# Altium PCB PCB1.PcbDoc (part 6 of 9) (continued)
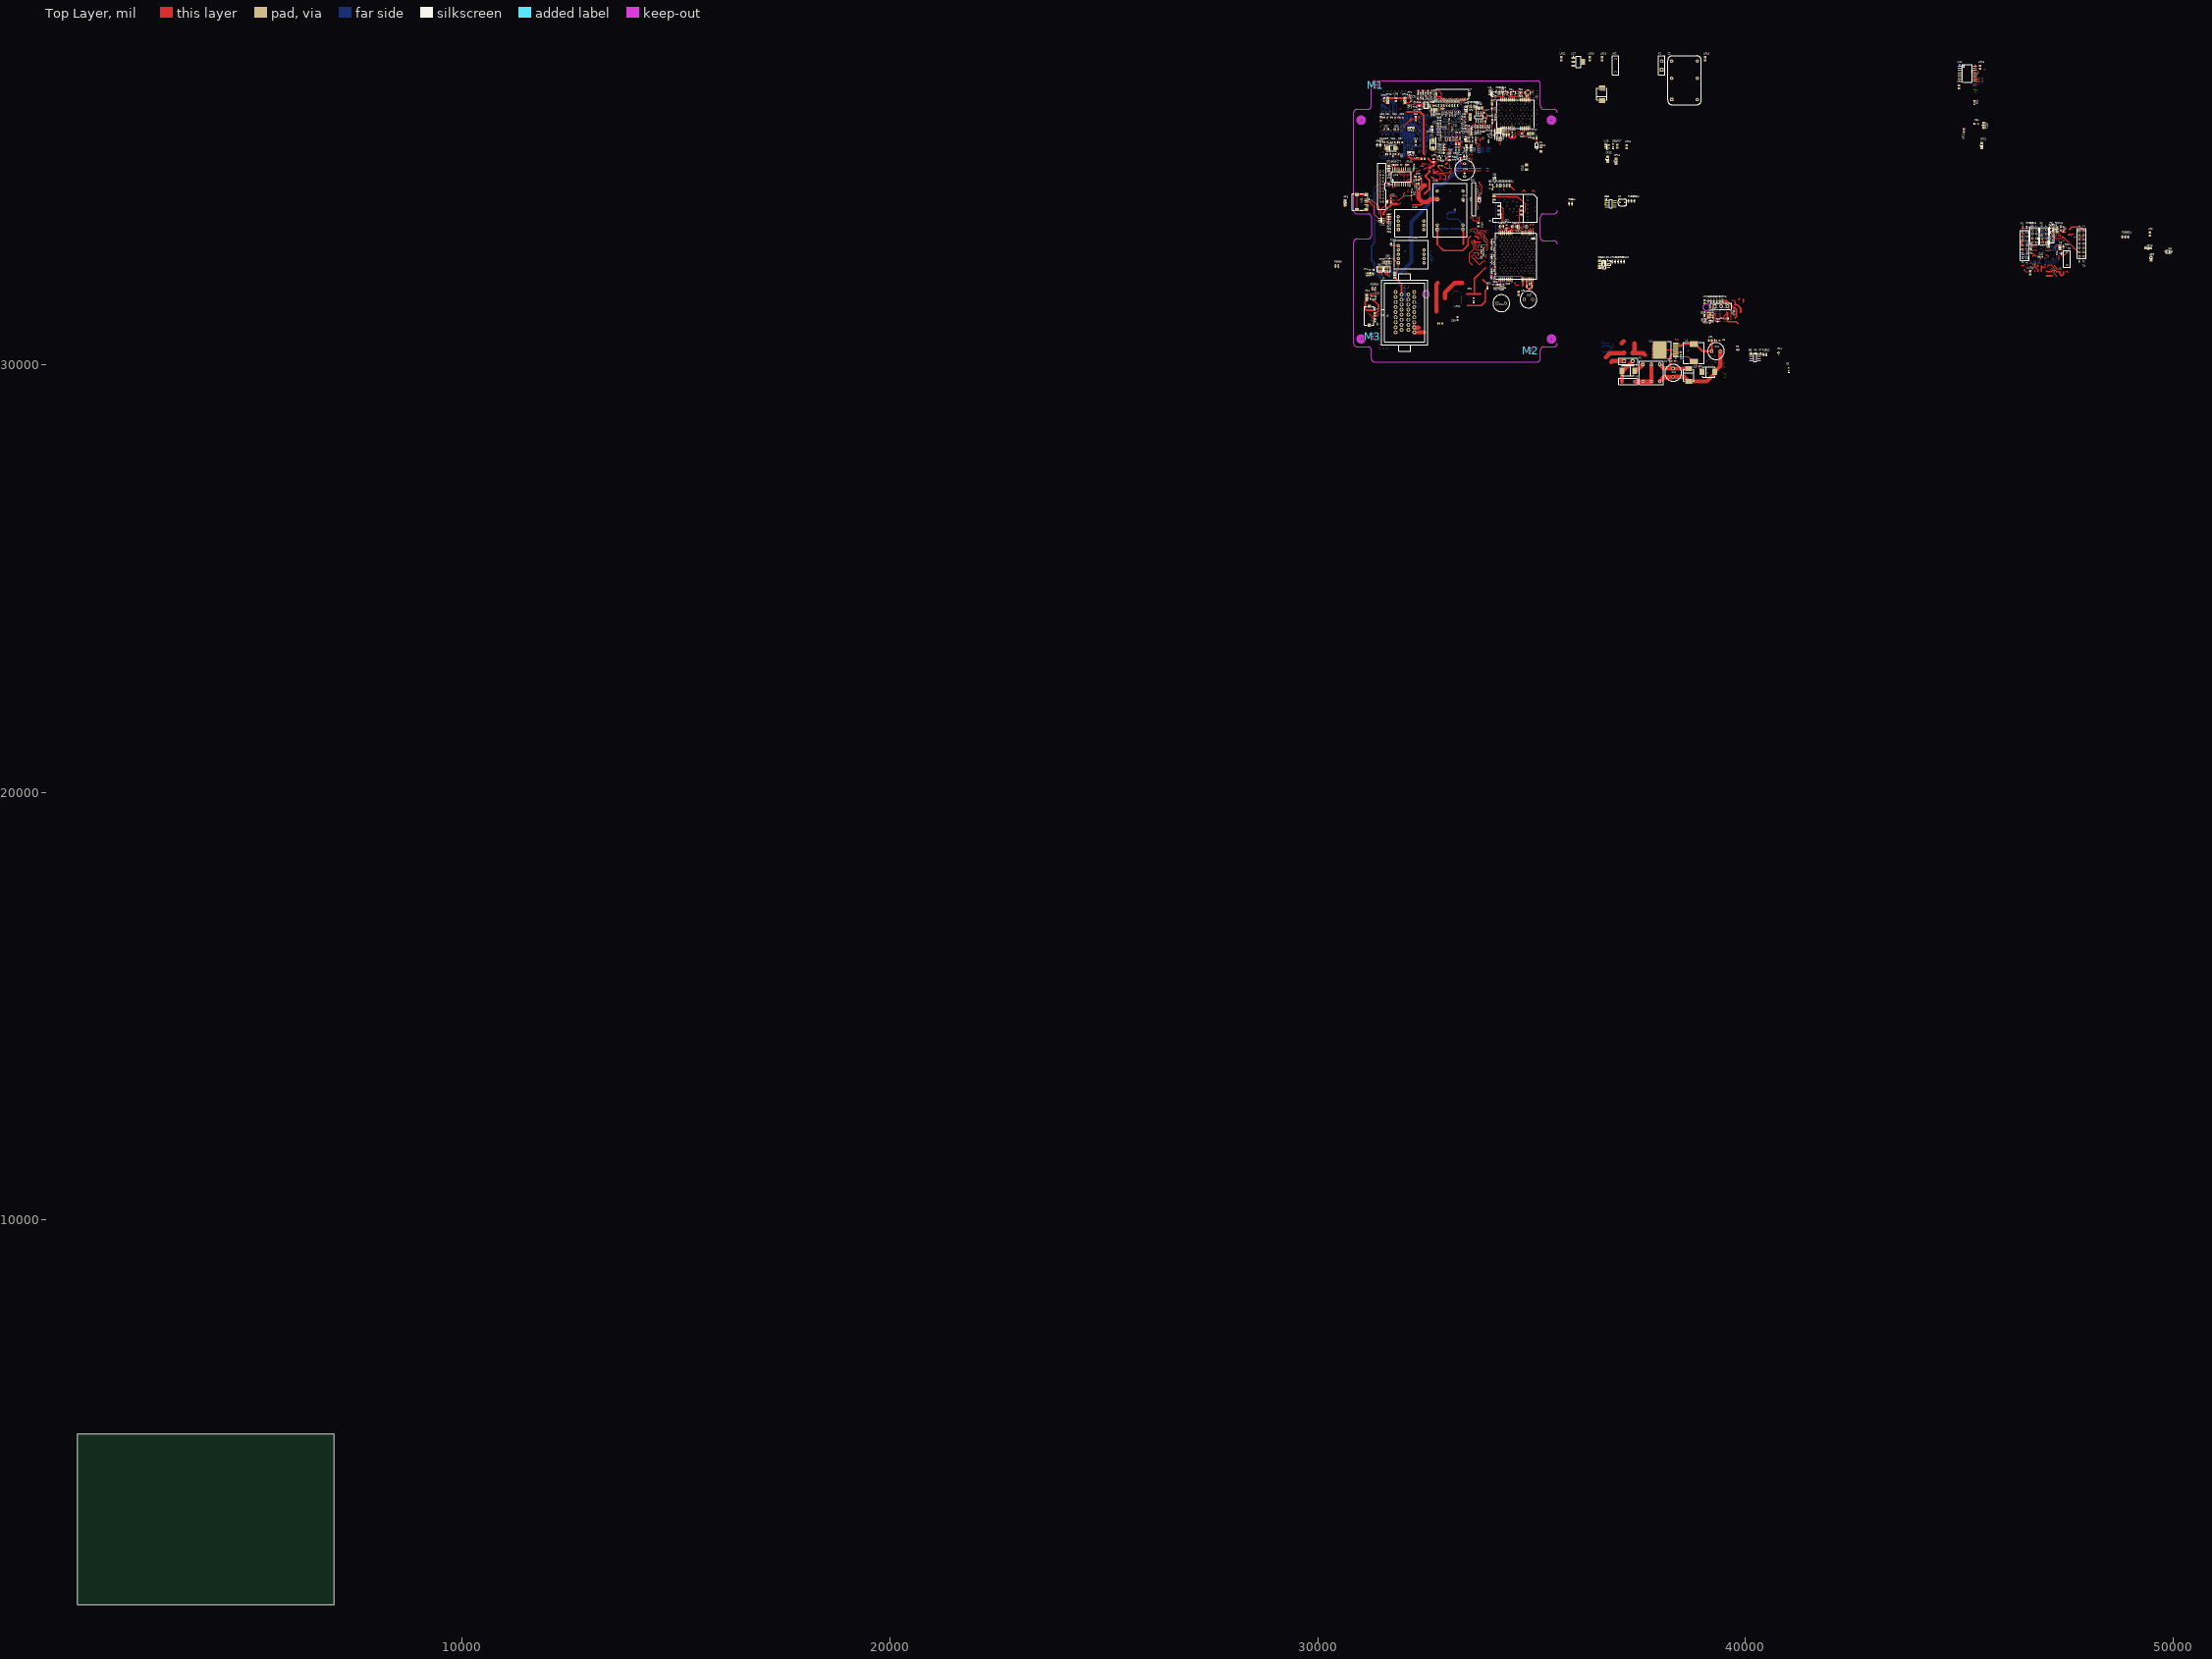
[diagram p0: Top Layer view]
## Nets (pads, with @x,y where several pads share a name; then routed paths per layer and width w, separated by ;. In a path a pad name is that pad's centre, name@x,y a point inside that pad or via, vN(x,y) a via of type N, cw(c..) or ccw(c..) an arc to the next point about the centre after c; other vN are vias at no path point) (continued)
32567,35352.75 v1@32717.78,35503.53 ; v1@32546.67,35615.73 32569.16,35615.73 32628.95,35675.52 32968.51,35675.52 v1(32984.51,35691.52) ; v1@32547.18,35694.8 cw(c32560.65,35681.33) 32560.65,35700.38 ; v1@32547.18,35703.99 ccw(c32555.9,35712.71) 32555.9,35700.38 ; v1@32549.94,35348.15 cw(c32561.03,35337.05) 32561.03,35352.75 cw(c32561.03,35368.44) v1@32549.94,35357.34 ; v1@32551.26,35612.27 cw(c32559.62,35603.91) 32559.62,35615.73 ; v1@32551.26,35621.46 ccw(c32565.1,35635.3) 32565.1,35615.73 ; v1@32557.34,35722.42 cw(c32557.34,35706.73) 32568.44,35717.83 cw(c32579.54,35728.92) v1@32563.84,35728.92 ; v1(32557.34,35728.92) 32571.12,35715.14 32720.73,35715.14 32746.32,35740.73 32882.15,35740.73 32906.02,35716.86 32906.02,35716.6 32915.1,35707.52 32937.02,35707.52 v1(32953.01,35691.52) ; v1(32566.2,35587.19) 32568.17,35587.19 32576.05,35595.06 ; v1(32568.2,35238.33) 32568.2,35241.74 32736.48,35410.02 32736.48,35532.07 32816.94,35612.53 32968.51,35612.53 v1(32984.51,35628.53) ; v1@32568.2,35244.83 ccw(c32568.2,35252.29) 32573.47,35247.01 ; v1@32568.36,35593.32 ccw(c32570.82,35600.29) 32576.05,35595.06 ; v1(32569.16,35472.03) 32576.23,35479.1 cw(c32579.76,35475.57) 32583.3,35479.1 32590.37,35472.03 ccw(c32593.9,35475.57) 32597.44,35472.03 ccw(c32593.9,35475.57) 32597.44,35479.1 32590.37,35486.17 cw(c32593.9,35489.71) 32590.37,35493.25 cw(c32593.9,35489.71) 32597.44,35493.25 32604.51,35486.17 ccw(c32608.05,35489.71) 32611.58,35486.17 ccw(c32608.05,35489.71) 32611.58,35493.25 32604.51,35500.32 cw(c32608.05,35503.85) 32604.51,35507.39 cw(c32608.05,35503.85) 32611.58,35507.39 32618.65,35500.32 ccw(c32622.19,35503.85) 32625.72,35500.32 ccw(c32622.19,35503.85) 32625.72,35507.39 32618.65,35514.46 cw(c32622.19,35517.99) 32618.65,35521.53 cw(c32622.19,35517.99) 32625.72,35521.53 32632.8,35514.46 ccw(c32636.33,35517.99) 32639.87,35514.46 ccw(c32636.33,35517.99) 32639.87,35521.53 32632.8,35528.6 cw(c32636.33,35532.14) 32632.8,35535.67 cw(c32636.33,35532.14) 32639.87,35535.67 32646.94,35528.6 ccw(c32650.47,35532.14) 32654.01,35528.6 ccw(c32650.47,35532.14) 32654.01,35535.67 32646.94,35542.74 cw(c32650.47,35546.28) 32646.94,35549.81 cw(c32650.47,35546.28) 32654.01,35549.81 32661.08,35542.74 ccw(c32664.62,35546.28) 32668.15,35542.74 ccw(c32664.62,35546.28) 32668.15,35549.81 32661.08,35556.89 cw(c32664.62,35560.42) 32661.08,35563.96 cw(c32664.62,35560.42) 32668.15,35563.96 32675.22,35556.89 ccw(c32678.76,35560.42) 32682.29,35556.89 ccw(c32678.76,35560.42) 32682.29,35563.96 32675.22,35571.03 cw(c32678.76,35574.56) 32675.22,35578.1 cw(c32678.76,35574.56) 32682.29,35578.1 32689.36,35571.03 ccw(c32692.9,35574.56) 32696.44,35571.03 ccw(c32692.9,35574.56) 32696.44,35578.1 32689.36,35585.17 cw(c32692.9,35588.71) 32689.36,35592.24 cw(c32692.9,35588.71) 32696.43,35592.24 32703.51,35585.17 ccw(c32707.04,35588.71) 32710.58,35585.17 ccw(c32707.04,35588.71) 32710.58,35592.24 32703.51,35599.31 cw(c32707.04,35602.85) 32703.51,35606.38 cw(c32707.04,35602.85) 32710.58,35606.38 32717.65,35599.31 ccw(c32721.18,35602.85) 32724.72,35599.31 ccw(c32721.18,35602.85) 32724.72,35606.38 32717.65,35613.45 cw(c32721.18,35616.99) 32717.65,35620.52 32725.65,35628.53 32745.65,35628.53 cw(c32745.65,35623.53) 32750.65,35623.53 32750.65,35613.53 ccw(c32755.65,35613.53) 32755.65,35608.53 ccw(c32755.65,35613.53) 32760.65,35613.53 32760.65,35623.53 cw(c32765.65,35623.53) 32765.65,35628.53 cw(c32765.65,35623.53) 32770.65,35623.53 32770.65,35617.98 ccw(c32775.65,35617.98) 32775.65,35612.98 ccw(c32775.65,35617.98) 32780.65,35617.98 32780.65,35623.53 cw(c32785.65,35623.53) 32785.65,35628.53 cw(c32785.65,35623.53) 32790.65,35623.53 32790.65,35613.53 ccw(c32795.65,35613.53) 32795.65,35608.53 ccw(c32795.65,35613.53) 32800.65,35613.53 32800.65,35627.74 cw(c32801.44,35627.74) 32801.44,35628.53 v1(32921.52,35628.53) ; v1@32569.7,35238.33 cw(c32581.56,35238.33) 32573.17,35246.72 ; v1@32570.84,35478.31 ccw(c32572.61,35484.93) 32576.04,35479 ; v1(32571.1,35848.03) 32588.84,35848.02 ccw(c32588.84,35853.02) 32593.84,35853.02 32593.84,35860.68 cw(c32598.84,35860.68) 32598.84,35865.68 cw(c32598.84,35860.68) 32603.84,35860.68 32603.84,35835.35 ccw(c32608.84,35835.35) 32608.84,35830.35 ccw(c32608.84,35835.35) 32613.84,35835.35 32613.84,35860.68 cw(c32618.84,35860.68) 32618.84,35865.68 cw(c32618.84,35860.68) 32623.84,35860.68 32623.84,35835.35 ccw(c32628.84,35835.35) 32628.84,35830.35 ccw(c32628.84,35835.35) 32633.84,35835.35 32633.84,35860.68 cw(c32638.84,35860.68) 32638.84,35865.68 cw(c32638.84,35860.68) 32643.84,35860.68 32643.84,35835.35 ccw(c32648.84,35835.35) 32648.84,35830.35 ccw(c32648.84,35835.35) 32653.84,35835.35 32653.84,35843.02 cw(c32658.84,35843.02) 32658.84,35848.02 32781.01,35848.02 32793.25,35835.78 32934.74,35835.78 v1(32953.01,35817.51) ; v1@32572.7,35587.19 cw(c32583.64,35587.19) 32575.91,35594.93 ; v1@32574.7,35238.33 cw(c32598.63,35238.33) 32581.71,35255.25 ; v1@32575.61,35472.82 cw(c32583.98,35473.84) 32579.76,35481.14 ; v1@32575.69,35843.43 cw(c32586.76,35832.37) 32586.76,35848.02 ; v1@32575.7,35852.63 ccw(c32586.82,35863.75) 32586.82,35848.02 ; 32602.62,35773.21 32934.32,35773.21 v1(32953.01,35754.51) ; v2(32607.9,36128.43) 32787.35,36128.43 33000.26,35915.52 33000.26,35801.76 v1(33016.01,35786.01) ; v2@32613.2,36123.13 cw(c32626.01,36110.32) 32626.01,36128.43 cw(c32626.01,36146.54) v2@32613.2,36133.73 ; v2(32618.61,36093.43) 32793.81,36093.43 32984.54,35902.7 32984.54,35785.99 v1(33016.01,35754.51) ; v2@32623.91,36088.13 cw(c32636.72,36075.32) 32636.72,36093.43 cw(c32636.72,36111.54) v2@32623.91,36098.73 ; 32704.31,35490.06 ccw(c32689.85,35504.51) v1@32710.29,35504.51 ; 32709.06,35494.81 cw(c32716.79,35487.07) v1@32716.79,35498.01 ; 32792.74,35684.63 ccw(c32792.74,35723.85) v1@32820.47,35696.12 ; 32804.81,35684.63 ccw(c32804.81,35711.78) v1@32824,35692.58 ; 32816.88,35684.63 ccw(c32816.88,35699.7) v1@32827.54,35689.05 ; v1(32825.06,35691.52) 32818.17,35684.63 32606.2,35684.63 32601.72,35680.15 ccw(c32605.26,35676.62) 32601.72,35673.08 32604.21,35670.59 cw(c32600.68,35667.05) 32604.21,35663.52 cw(c32600.68,35667.05) 32597.14,35663.52 32591.12,35669.54 32580.51,35680.15 ccw(c32576.97,35676.62) 32573.44,35680.15 ccw(c32576.97,35676.62) 32573.44,35673.08 32580.51,35666.01 cw(c32576.97,35662.47) 32580.51,35658.94 32573.44,35651.87 32565.98,35651.87 ccw(c32565.98,35646.87) 32560.98,35646.87 32560.98,35636.87 cw(c32555.98,35636.87) 32555.98,35631.87 cw(c32555.98,35636.87) 32550.98,35636.87 32550.98,35646.87 ccw(c32545.98,35646.87) 32545.98,35651.87 ; v1(32857.54,35226.95) 32927.67,35297.08 32927.94,35297.08 32937.02,35306.16 32937.02,35306.43 32968.51,35337.93 32968.51,35423.56 v1(32984.51,35439.55) ; v1@32857.54,35233.45 ccw(c32857.54,35249.15) 32868.64,35238.05 ccw(c32879.73,35226.95) v1@32864.04,35226.95 ; v1@32915.02,35723.02 ccw(c32899.33,35723.02) 32910.42,35734.11 ccw(c32921.52,35745.21) v1@32921.52,35729.52 ; v1@32916.92,35623.93 ccw(c32905.83,35612.84) 32905.83,35628.53 ccw(c32905.83,35644.22) v1@32916.92,35633.12 ; v1(32921.52,35312.58) 32937.27,35328.33 32937.27,35445.72 32946.59,35455.05 32968.51,35455.05 v1(32984.51,35471.05) ; v1@32921.52,35319.08 ccw(c32921.52,35334.78) 32932.61,35323.68 ccw(c32943.71,35312.58) v1@32928.02,35312.58 ; v1@32935.69,35205.3 cw(c32919.99,35205.3) 32931.09,35194.2 cw(c32942.19,35183.11) v1@32942.19,35198.8 ; v1@32946.51,35628.53 ccw(c32930.82,35628.53) 32941.92,35639.62 ccw(c32953.01,35650.72) v1@32953.01,35635.03 ; v1@32946.51,35691.52 ccw(c32930.82,35691.52) 32941.92,35702.62 ccw(c32953.01,35713.71) v1@32953.01,35698.02 ; v1@32946.51,35723.02 ccw(c32930.82,35723.02) 32941.92,35734.11 ccw(c32953.01,35745.21) v1@32953.01,35729.52 ; v1@32946.51,35754.51 ccw(c32930.82,35754.51) 32941.92,35765.61 ccw(c32953.01,35776.71) v1@32953.01,35761.01 ; v1@32946.51,35817.51 ccw(c32930.82,35817.51) 32941.92,35828.6 ccw(c32953.01,35839.7) v1@32953.01,35824.01 ; v1@32948.42,35592.44 ccw(c32937.32,35581.34) 32937.32,35597.03 ccw(c32937.32,35612.72) v1@32948.42,35601.63 ; 32953.83,35187.94 ccw(c32925.14,35216.62) v1@32965.71,35216.62 ; 32962.36,35196.47 ccw(c32942.21,35216.62) v1@32970.71,35216.62 ; v1@32969.41,35210.75 cw(c32967.29,35206.32) 32972.21,35206.32 ; 32970.9,35205.01 ccw(c32959.29,35216.62) v1@32975.71,35216.62 ; v1(32972.21,35216.62) 32972.21,35206.32 ; v1@32975.01,35210.75 ccw(c32977.12,35206.32) 32972.21,35206.32 ; v1@32978.01,35439.55 cw(c32962.32,35439.55) 32973.41,35428.46 cw(c32984.51,35417.36) v1@32984.51,35433.05 ; v1@32978.01,35471.05 cw(c32962.32,35471.05) 32973.41,35459.95 cw(c32984.51,35448.86) v1@32984.51,35464.55 ; v1@32978.01,35597.03 cw(c32962.32,35597.03) 32973.41,35585.94 cw(c32984.51,35574.84) v1@32984.51,35590.53 ; v1@32978.01,35628.53 cw(c32962.32,35628.53) 32973.41,35617.43 cw(c32984.51,35606.34) v1@32984.51,35622.03 ; v1@32978.01,35691.52 cw(c32962.32,35691.52) 32973.41,35680.43 cw(c32984.51,35669.33) v1@32984.51,35685.02 ; v1@32997.63,34963.5 ccw(c32986.53,34952.4) 32986.53,34968.1 ccw(c32986.53,34983.79) v1@32997.63,34972.69 ; v1@32997.7,35151.17 cw(c32982,35151.17) 32993.1,35140.07 cw(c33004.2,35128.97) v1@33004.2,35144.67 ; v1@32999.99,35087.85 cw(c32984.3,35087.85) 32995.4,35076.75 cw(c33006.49,35065.65) v1@33006.49,35081.35 ; v1@33001.63,35046.84 cw(c32985.94,35046.84) 32997.04,35035.74 cw(c33008.13,35024.64) v1@33008.13,35040.34 ; v1@33002.23,34974.6 ccw(c33002.23,34990.29) 33013.32,34979.19 ccw(c33024.42,34968.1) v1@33008.73,34968.1 ; v1@33006.49,35094.35 ccw(c33006.49,35110.04) 33017.59,35098.94 ccw(c33028.68,35087.85) v1@33012.99,35087.85 ; v1@33008.13,35053.34 ccw(c33008.13,35069.03) 33019.23,35057.93 ccw(c33030.32,35046.84) v1@33014.63,35046.84 ; v1@33009.51,35471.05 cw(c32993.81,35471.05) 33004.91,35459.95 cw(c33016.01,35448.86) v1@33016.01,35464.55 ; v1@33009.51,35597.03 cw(c32993.81,35597.03) 33004.91,35585.94 cw(c33016.01,35574.84) v1@33016.01,35590.53 ; v1@33009.51,35628.53 ccw(c32993.81,35628.53) 33004.91,35639.62 ccw(c33016.01,35650.72) v1@33016.01,35635.03 ; v1@33009.51,35754.51 ccw(c32993.81,35754.51) 33004.91,35765.61 ccw(c33016.01,35776.71) v1@33016.01,35761.01 ; v1@33009.51,35786.01 ccw(c32993.81,35786.01) 33004.91,35797.11 ccw(c33016.01,35808.2) v1@33016.01,35792.51 ; v1@33016.01,35401.56 cw(c33016.01,35385.86) 33027.1,35396.96 cw(c33038.2,35408.06) v1@33022.51,35408.06 ; v1@33016.01,35433.05 cw(c33016.01,35417.36) 33027.1,35428.46 cw(c33038.2,35439.55) v1@33022.51,35439.55 ; v1@33016.01,35685.02 cw(c33016.01,35669.33) 33027.1,35680.43 cw(c33038.2,35691.52) v1@33022.51,35691.52 ; 33022.43,35550.04 33031.75,35559.36 33031.75,35580.79 33047.5,35596.54 v1(33047.5,35597.03) ; 33036.06,35585.09 ccw(c33024.11,35597.03) v1@33041,35597.03 ; 33037.25,35586.29 cw(c33047.5,35576.04) v1@33047.5,35590.53 ; v1(33047.5,35565.54) 33063.25,35581.28 33063.25,35613.76 33010.49,35666.52 32647.51,35666.52 32632.61,35651.63 cw(c32629.08,35655.17) 32625.54,35651.63 32625.2,35651.98 ccw(c32621.66,35648.44) 32618.13,35651.98 ccw(c32621.66,35648.44) 32618.13,35644.91 32622.01,35641.03 32627.89,35635.15 cw(c32624.35,35631.61) 32627.89,35628.08 cw(c32624.35,35631.61) 32620.82,35628.08 32614.94,35633.96 32611.06,35637.84 ccw(c32607.52,35634.3) 32603.98,35637.84 ccw(c32607.52,35634.3) 32603.98,35630.77 32618.47,35616.28 cw(c32614.94,35612.74) 32618.47,35609.21 cw(c32614.94,35612.74) 32611.4,35609.21 32600.79,35619.81 32596.91,35623.69 ccw(c32593.38,35620.16) 32589.84,35623.69 ccw(c32593.38,35620.16) 32589.84,35616.62 32593.72,35612.74 32604.33,35602.14 cw(c32600.79,35598.6) 32604.33,35595.06 cw(c32600.79,35598.6) 32597.26,35595.06 32582.77,35609.55 ccw(c32579.24,35606.02) 32575.7,35609.55 ccw(c32579.24,35606.02) 32575.7,35602.48 32576.05,35602.14 cw(c32572.51,35598.6) 32576.05,35595.06 ; v1@33047.5,35572.04 ccw(c33047.5,35587.73) 33058.6,35576.63 ccw(c33069.69,35565.54) v1@33054,35565.54 ; v1@33072.5,35439.55 cw(c33056.81,35439.55) 33067.9,35428.46 cw(c33079,35417.36) v1@33079,35433.05 ; v1@33074.4,35592.44 cw(c33063.31,35581.34) 33079,35581.34 cw(c33094.69,35581.34) v1@33083.59,35592.44 ; v2@33090.22,34061.17 cw(c33072.12,34061.17) 33084.92,34048.36 cw(c33097.72,34035.56) v2@33097.72,34053.67 ; v1@33103.99,35471.05 cw(c33088.3,35471.05) 33099.4,35459.95 cw(c33110.49,35448.86) v1@33110.49,35464.55 ; v1@33105.9,35371.96 cw(c33094.8,35360.87) 33110.49,35360.87 cw(c33126.19,35360.87) v1@33115.09,35371.96 ; v1@33110.49,35401.56 cw(c33110.49,35385.86) 33121.59,35396.96 cw(c33132.69,35408.06) v1@33116.99,35408.06 ; v1@33110.49,35527.54 cw(c33110.49,35511.85) 33121.59,35522.94 cw(c33132.69,35534.04) v1@33116.99,35534.04 ; v1@33135.1,35224.39 cw(c33135.1,35208.7) 33146.2,35219.79 cw(c33157.29,35230.89) v1@33141.6,35230.89 ; v1@33135.49,35723.02 cw(c33119.8,35723.02) 33130.89,35711.92 cw(c33141.99,35700.83) v1@33141.99,35716.52 ; v1@33141.99,35622.03 cw(c33141.99,35606.34) 33153.09,35617.43 cw(c33164.18,35628.53) v1@33148.49,35628.53 ; v1@33141.99,35653.53 cw(c33141.99,35637.83) 33153.09,35648.93 cw(c33164.18,35660.03) v1@33148.49,35660.03 ; v1(33141.99,35660.03) 33173.49,35628.53 33332.94,35628.53 33352.07,35609.39 33478.63,35609.39 33537.69,35550.34 33537.69,35390.89 33534.73,35387.94 33534.73,34986.15 33488.66,34940.08 v2(33487.46,34940.08) ; v1@33141.99,35685.02 cw(c33141.99,35669.33) 33153.09,35680.43 cw(c33164.18,35691.52) v1@33148.49,35691.52 ; v1(33141.99,35691.52) 33157.74,35675.77 33220.73,35675.77 33252.48,35644.03 33474.51,35644.03 ; v1@33166.99,35565.54 cw(c33151.29,35565.54) 33162.39,35554.44 cw(c33173.49,35543.34) v1@33173.49,35559.04 ; v1@33166.99,35691.52 ccw(c33151.29,35691.52) 33162.39,35702.62 ccw(c33173.49,35713.71) v1@33173.49,35698.02 ; v2@33188.88,35975.92 ccw(c33176.07,35988.72) 33194.18,35988.72 ccw(c33212.29,35988.72) v2@33199.48,35975.92 ; v2(33194.18,35970.61) 33194.18,36171.4 33219.77,36196.99 33396.94,36196.99 33431.39,36231.44 ; 33196.79,34417.65 ccw(c33196.79,34438.48) v2@33211.52,34423.75 ; v1@33198.48,35565.54 cw(c33182.79,35565.54) 33193.89,35554.44 cw(c33204.98,35543.34) v1@33204.98,35559.04 ; 33200.64,34417.65 cw(c33200.64,34402.27) v2@33211.52,34413.15 ; v1(33204.98,35723.02) 33236.73,35754.76 33236.73,36143.08 33278.83,36185.18 33430.4,36185.18 v2(33453.04,36162.54) ; v1@33204.98,35729.52 ccw(c33204.98,35745.21) 33216.08,35734.11 ccw(c33227.17,35723.02) v1@33211.48,35723.02 ; v1@33236.48,35496.04 cw(c33236.48,35480.35) 33247.57,35491.45 cw(c33258.67,35502.54) v1@33242.98,35502.54 ; v2@33258.81,36134.82 cw(c33236.62,36112.63) 33268,36112.63 ; v1@33261.48,35723.02 ccw(c33245.78,35723.02) 33256.88,35734.11 ccw(c33267.98,35745.21) v1@33267.98,35729.52 ; v2@33262.34,36138.35 cw(c33248.69,36124.7) 33268,36124.7 ; v1@33263.38,35466.45 cw(c33252.28,35455.36) 33267.98,35455.36 cw(c33283.67,35455.36) v1@33272.57,35466.45 ; v1(33267.98,35660.02) 33283.72,35675.77 33283.72,36155.63 ; v1@33267.98,35666.52 ccw(c33267.98,35682.22) 33279.07,35671.12 ccw(c33290.17,35660.02) v1@33274.48,35660.02 ; v1(33267.98,35723.02) 33251.27,35739.73 33251.27,35823.25 33268,35839.98 v2@33268,36140.12 ; v1@33268.11,35495.92 cw(c33268.11,35480.22) 33279.2,35491.32 cw(c33290.3,35502.42) v1@33274.61,35502.42 ; v2@33286.99,36165.31 cw(c33275.59,36163.76) 33283.72,36155.63 ; v1@33292.97,35565.54 cw(c33277.28,35565.54) 33288.38,35554.44 cw(c33299.47,35543.34) v1@33299.47,35559.04 ; v2@33293.41,36158.89 ccw(c33291.86,36147.5) 33283.72,36155.63 ; v2(33294.42,36166.32) 33283.72,36155.63 ; v1@33299.47,35464.55 cw(c33299.47,35448.86) 33310.57,35459.95 cw(c33321.66,35471.05) v1@33305.97,35471.05 ; v1(33299.47,35691.52) 33315.22,35707.27 33315.22,36099.53 33333.94,36118.25 v2@33333.94,36160.26 ; v1@33299.47,35698.02 ccw(c33299.47,35713.71) 33310.57,35702.62 ccw(c33321.66,35691.52) v1@33305.97,35691.52 ; v2@33328.49,36155.12 cw(c33315.31,36141.94) 33333.94,36141.94 ; v1(33330.97,35723.02) 33346.96,35739.01 33346.96,36054 33393,36100.04 v2(33393,36159.59) ; v1@33330.97,35729.52 ccw(c33330.97,35745.21) 33342.06,35734.11 ccw(c33353.16,35723.02) v1@33337.47,35723.02 ; 33333.94,36142.69 cw(c33351.52,36142.69) v2@33339.09,36155.12 ; v1@33357.87,35403.46 cw(c33346.77,35392.36) 33362.46,35392.36 cw(c33378.16,35392.36) v1@33367.06,35403.46 ; v1(33362.46,35408.06) 33362.46,34985.4 v2(33380.2,34967.66) ; v2@33372.7,34967.66 ccw(c33354.6,34967.66) 33367.4,34980.46 ccw(c33380.2,34993.27) v2@33380.2,34975.16 ; v2@33387.7,36154.29 cw(c33374.89,36141.48) 33393,36141.48 cw(c33411.11,36141.48) v2@33398.3,36154.29 ; v2@33426.4,36242.57 cw(c33416.47,36231.44) 33431.39,36231.44 ; v2(33431.39,36248.17) 33431.39,36231.44 ; v2@33436.38,36242.57 ccw(c33446.3,36231.44) 33431.39,36231.44 ; 33440.24,35443.06 33440.24,35482.43 33503.24,35545.42 v2@33503.24,35548.37 ; v2@33445.54,36162.54 ccw(c33427.43,36162.54) 33440.24,36175.35 ccw(c33453.04,36188.15) v2@33453.04,36170.04 ; 33472.72,35643.84 33475.68,35643.84 33484.93,35634.59 33553.43,35566.09 33553.43,35454.87 ; v2@33487.46,34947.58 ccw(c33487.46,34968.58) 33502.32,34953.73 ; 33493.95,35536.13 cw(c33508.22,35521.86) v2@33508.22,35542.04 ; v2@33494.96,34940.08 cw(c33510.17,34940.08) 33499.42,34950.83 ; 33496.02,35538.2 ccw(c33484.68,35549.54) v2@33500.72,35549.54 ; v2@33545.15,34945.43 ccw(c33525.22,34965.36) 33553.41,34965.36 ; v2@33548.69,34941.9 ccw(c33537.29,34953.29) 33553.41,34953.29 ; v2@33553.41,34940.13 33553.41,35454.87 ; 33553.41,34951.11 ccw(c33561.43,34951.11) v2@33555.76,34945.43
  MidLayer2 w5.91: v1(32549.44,35409.03) 32583.91,35409.03 v1(32741.4,35566.52) ; v1@32553.72,35404.76 cw(c32564.04,35394.43) 32564.04,35409.03 cw(c32564.04,35423.63) v1@32553.72,35413.31 ; v1@32735.35,35566.52 cw(c32720.75,35566.52) 32731.08,35556.2 cw(c32741.4,35545.87) v1@32741.4,35560.47
  MidLayer2 w10: v2@33600.09,34646.21 cw(c33591.56,34637.68) 33603.63,34637.68 cw(c33615.7,34637.68) v2@33607.17,34646.21 ; v2(33603.63,34649.75) 33603.63,34459.79 33780.8,34282.62 ; 34136.11,31849.55 34136.11,33072.98 34218.79,33155.65 34702.06,33155.65 v2@34751.27,33204.87 ; v2@34151.28,35335.19 cw(c34142.74,35326.65) 34154.81,35326.65 cw(c34166.88,35326.65) v2@34158.35,35335.19 ; 34154.81,34855.46 v2(34154.81,35338.72) ; v2@34208.36,33202.5 ccw(c34199.83,33211.03) 34211.9,33211.03 ccw(c34223.97,33211.03) v2@34215.43,33202.5 ; v2(34211.9,33198.96) 34211.9,33916.48 v2@34358.55,34063.13 ; 34343.87,34048.45 ccw(c34325.25,34067.07) v2@34351.58,34067.07 ; 34584.93,34401.72 34978.63,34008.02 v2(34978.63,33296.4) ; 34600.68,34421.4 35039.65,33982.43 v2(35039.65,33299.35) ; 34741.05,33194.65 cw(c34751.27,33184.43) v2@34751.27,33198.88 ; 34743.43,33197.03 ccw(c34736.57,33203.88) v2@34746.27,33203.88 ; v2@34975.09,33299.94 ccw(c34966.56,33308.47) 34978.63,33308.47 ccw(c34990.7,33308.47) v2@34982.17,33299.94 ; v2@35036.12,33302.89 ccw(c35027.58,33311.43) 35039.65,33311.43 ccw(c35051.72,33311.43) v2@35043.19,33302.89 ; v2(39151.8,31502.31) 39196.1,31546.61 ; v2@39151.8,31507.31 ccw(c39151.8,31519.39) 39160.34,31510.85 ccw(c39168.87,31502.31) v2@39156.8,31502.31 ; v2@45374.2,36372.87 ccw(c45362.13,36372.87) 45370.67,36381.41 ccw(c45379.2,36389.95) v2@45379.2,36377.87 ; 46610.65,32838.33 46828.17,32620.81 46894.11,32620.81 v2(47012.22,32502.7) ; v2@46642.54,33184.21 cw(c46634.01,33175.67) 46646.08,33175.67 cw(c46658.15,33175.67) 46649.61,33184.21 cw(c46658.15,33175.67) 46658.15,33187.74 cw(c46658.15,33199.81) v2@46649.61,33191.28 ; v2@46837.02,32390.57 ccw(c46837.02,32405.02) 46847.24,32394.81 ; v2@46838.01,32385.57 46856.71,32404.28 47056.51,32404.28 ; v2@46842.02,32385.57 cw(c46851.72,32385.57) 46844.86,32392.43 ; v2@46892.14,32383.61 46893.13,32384.59 47040.76,32384.59 ; v2@46895.68,32381.06 cw(c46904.21,32372.52) 46904.21,32384.59 cw(c46904.21,32396.66) v2@46895.68,32388.13 ; v2@47007.22,32502.7 ccw(c46995.15,32502.7) 47003.68,32511.24 ccw(c47012.22,32519.77) v2@47012.22,32507.7 ; v2@47187.82,32475.54 ccw(c47179.28,32467.01) 47179.28,32479.08 ccw(c47179.28,32491.15) v2@47187.82,32482.61 ; v2(47191.35,32479.08) 47072.26,32479.08 46752.38,32798.96 46752.38,33036.17 46646.08,33142.46 v2(46646.08,33187.74) v2(47332.1,33187.74) ; v2@47328.57,33184.21 ccw(c47320.03,33175.67) 47320.03,33187.74 ccw(c47320.03,33199.81) v2@47328.57,33191.28
  MidLayer2 w12: 32253.24,31232.43 32393,31372.19 32393,32196.01 v2(32651.86,32454.87) ; 32429.91,31273.27 32429.91,32132.52 v2@32650.87,32353.49 ; 32638.31,32340.92 cw(c32651.86,32327.37) v2@32651.86,32346.54 ; 34060.01,31778.02 34060.01,33003.76 34096.74,33040.5 34096.74,34470.61 ; 36648.35,30413.32 36811.24,30576.22 ; v2@38675.91,30336.55 38694.61,30336.55 38767.44,30409.39 ; v2@38678.74,30340.37 ccw(c38687.94,30349.57) 38687.94,30336.55 ; 39119.99,31475.07 39153.77,31441.29 39367.35,31441.29 39446.1,31362.55 39446.1,30803.5 ; 46552.57,32453.49 v2(46570.29,32471.2)
  MidLayer2 w20: v2(31395.95,33375.14) 31414.65,33356.44 31414.65,32238.35 31373.16,32196.85 31373.16,32144.31 31654.16,31863.31 31654.16,31627.76 31818.69,31463.23 ; v2(31401.86,33441.09) 31461.9,33381.05 31461.9,32190.11 31736.16,31915.85 31736.16,31676.67 31825.09,31587.74